# Altium PCB SmartSwitchV3.PcbDoc
Units mm, origin at the board's own origin, x right, y up, seen from the top; angles counter-clockwise.
Board outline 97.8 x 96.39 mm, 2 copper layers (Top Layer, Bottom Layer); 87 components, 65 nets, 326 pads, 45 vias.
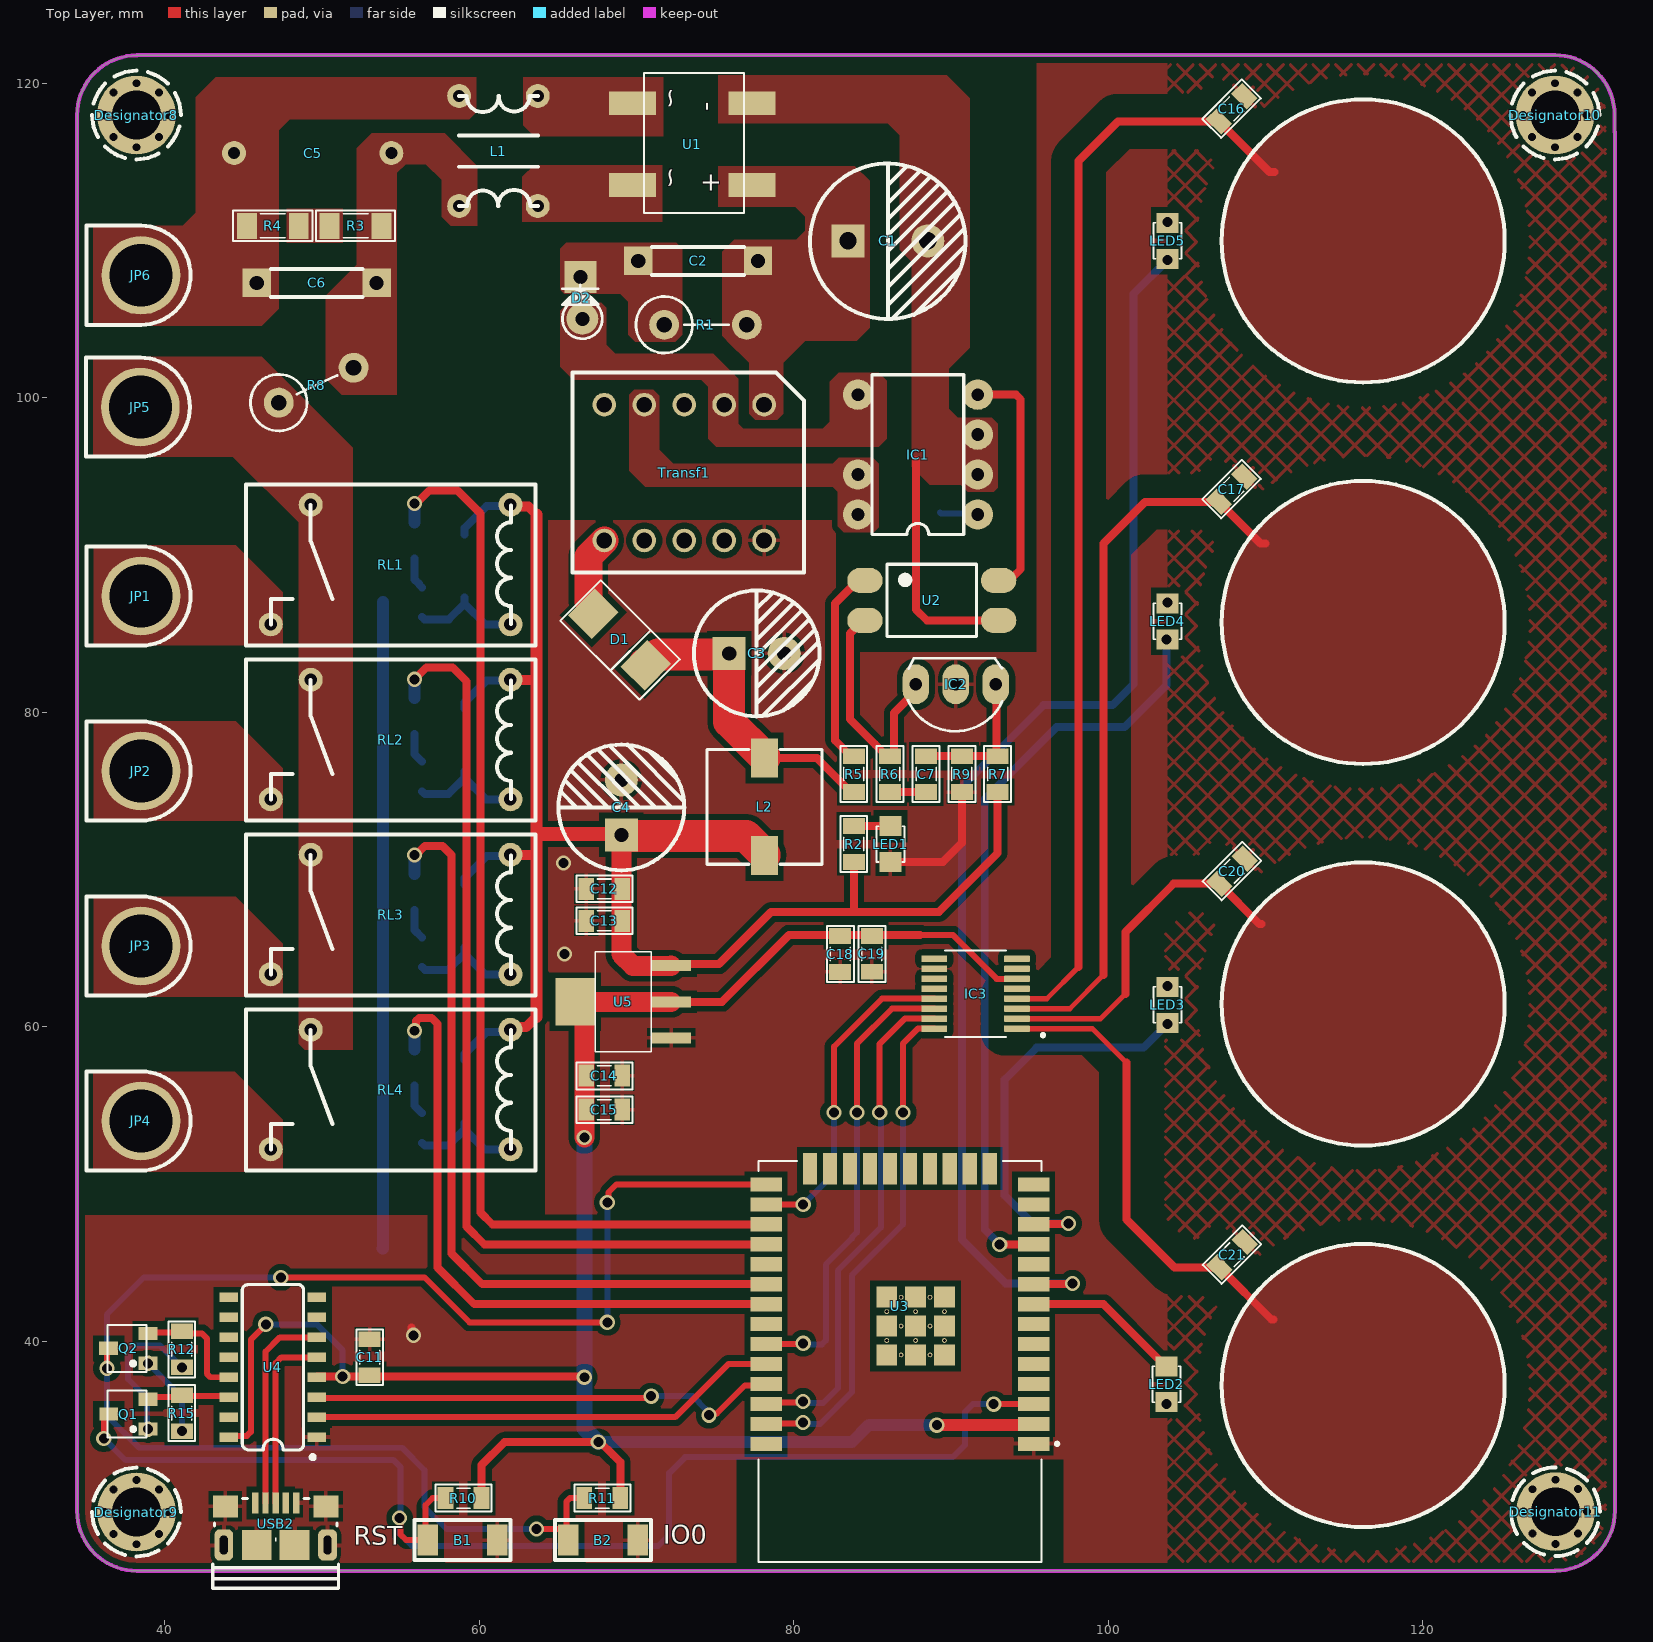
[diagram p0: Top Layer view]
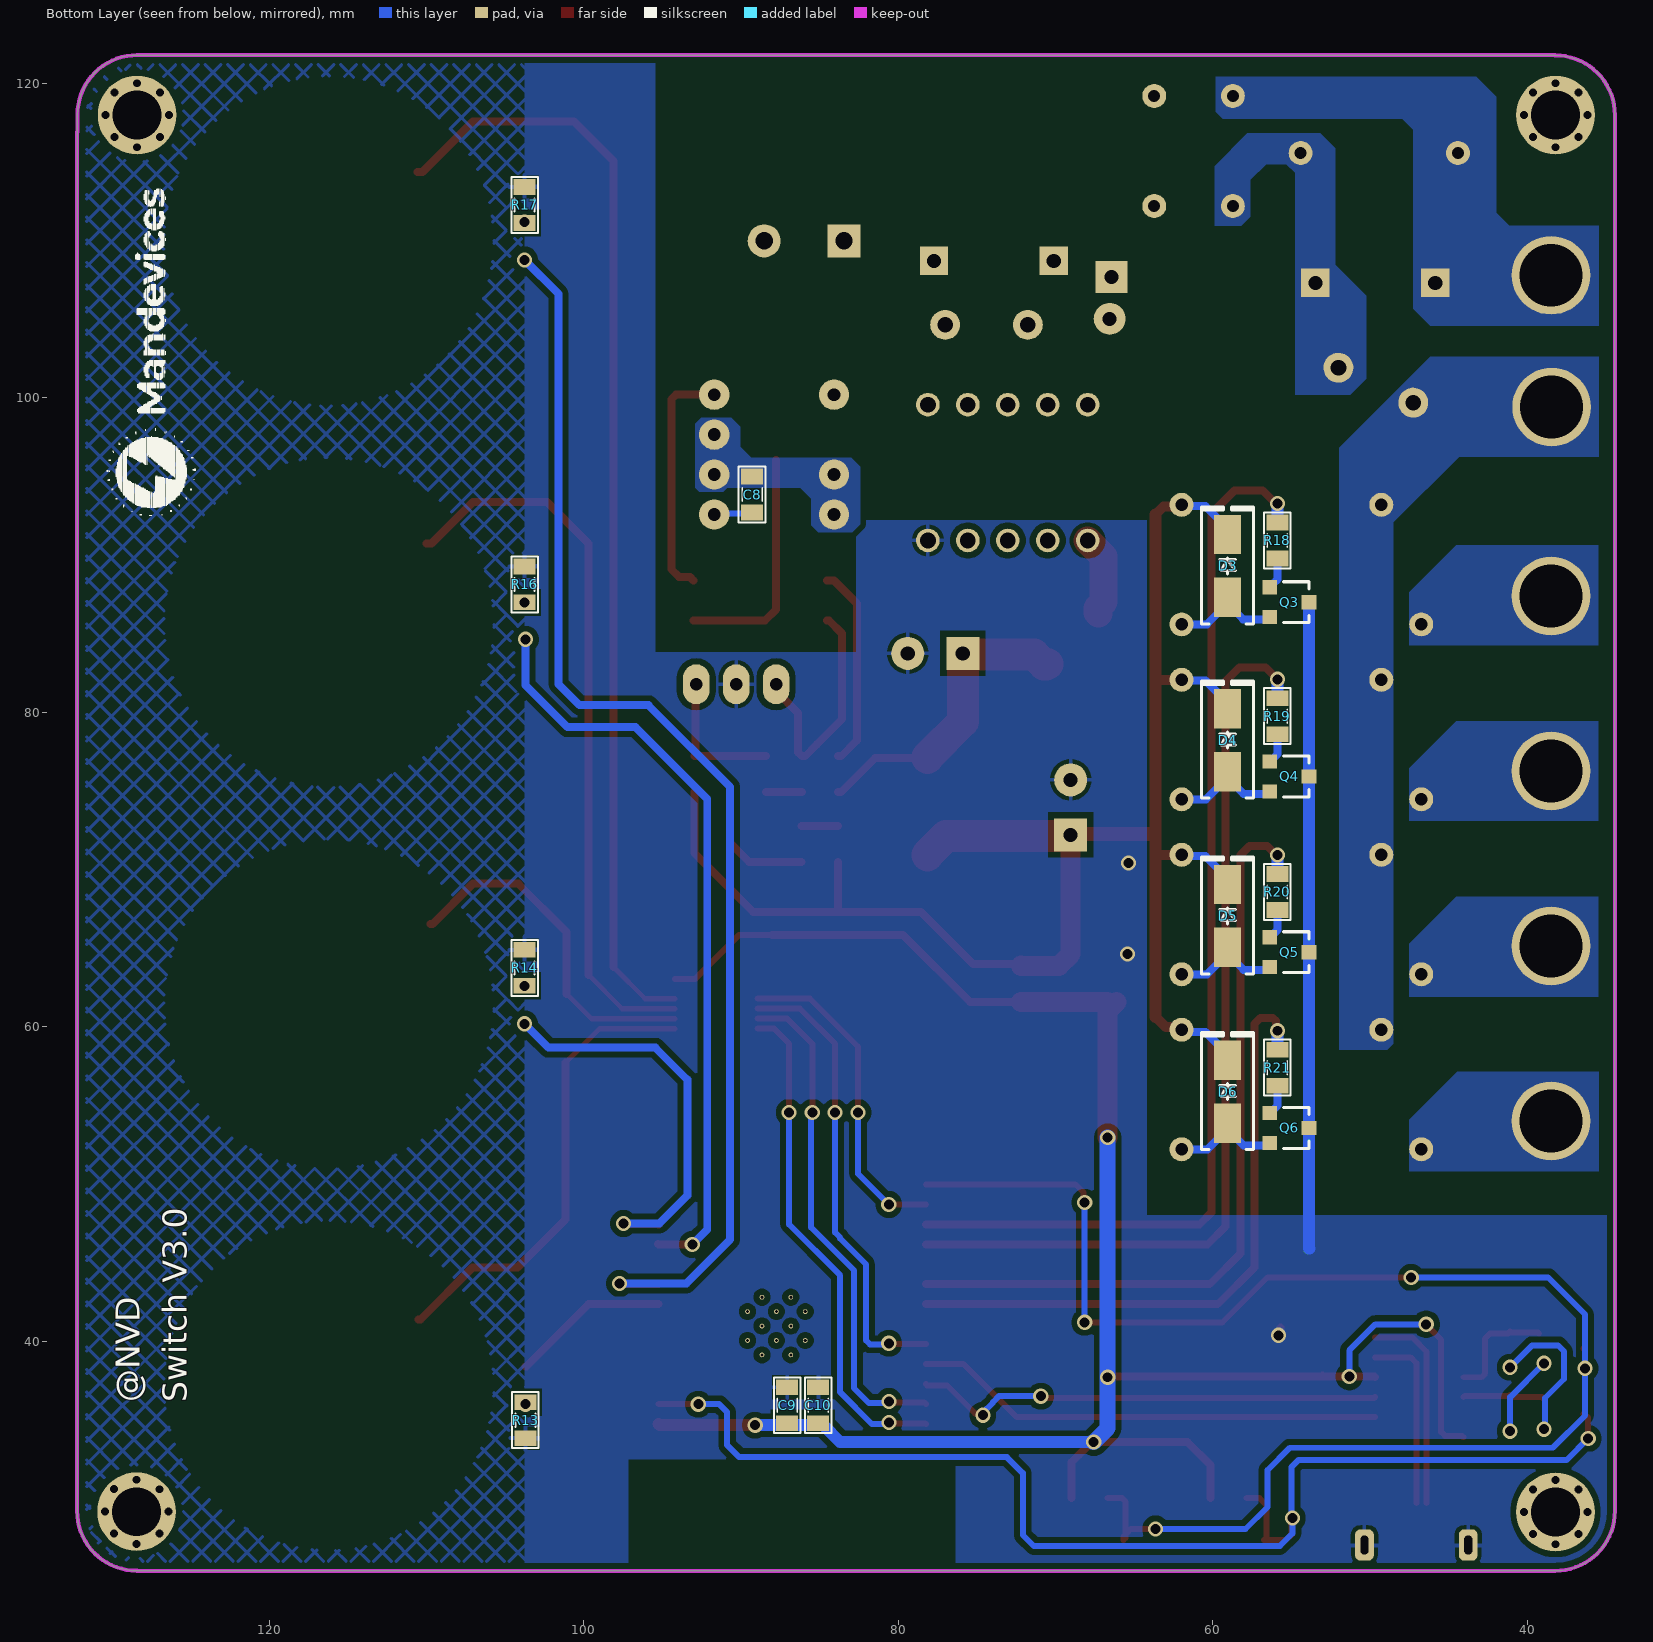
[diagram p1: Bottom Layer view, seen from below]
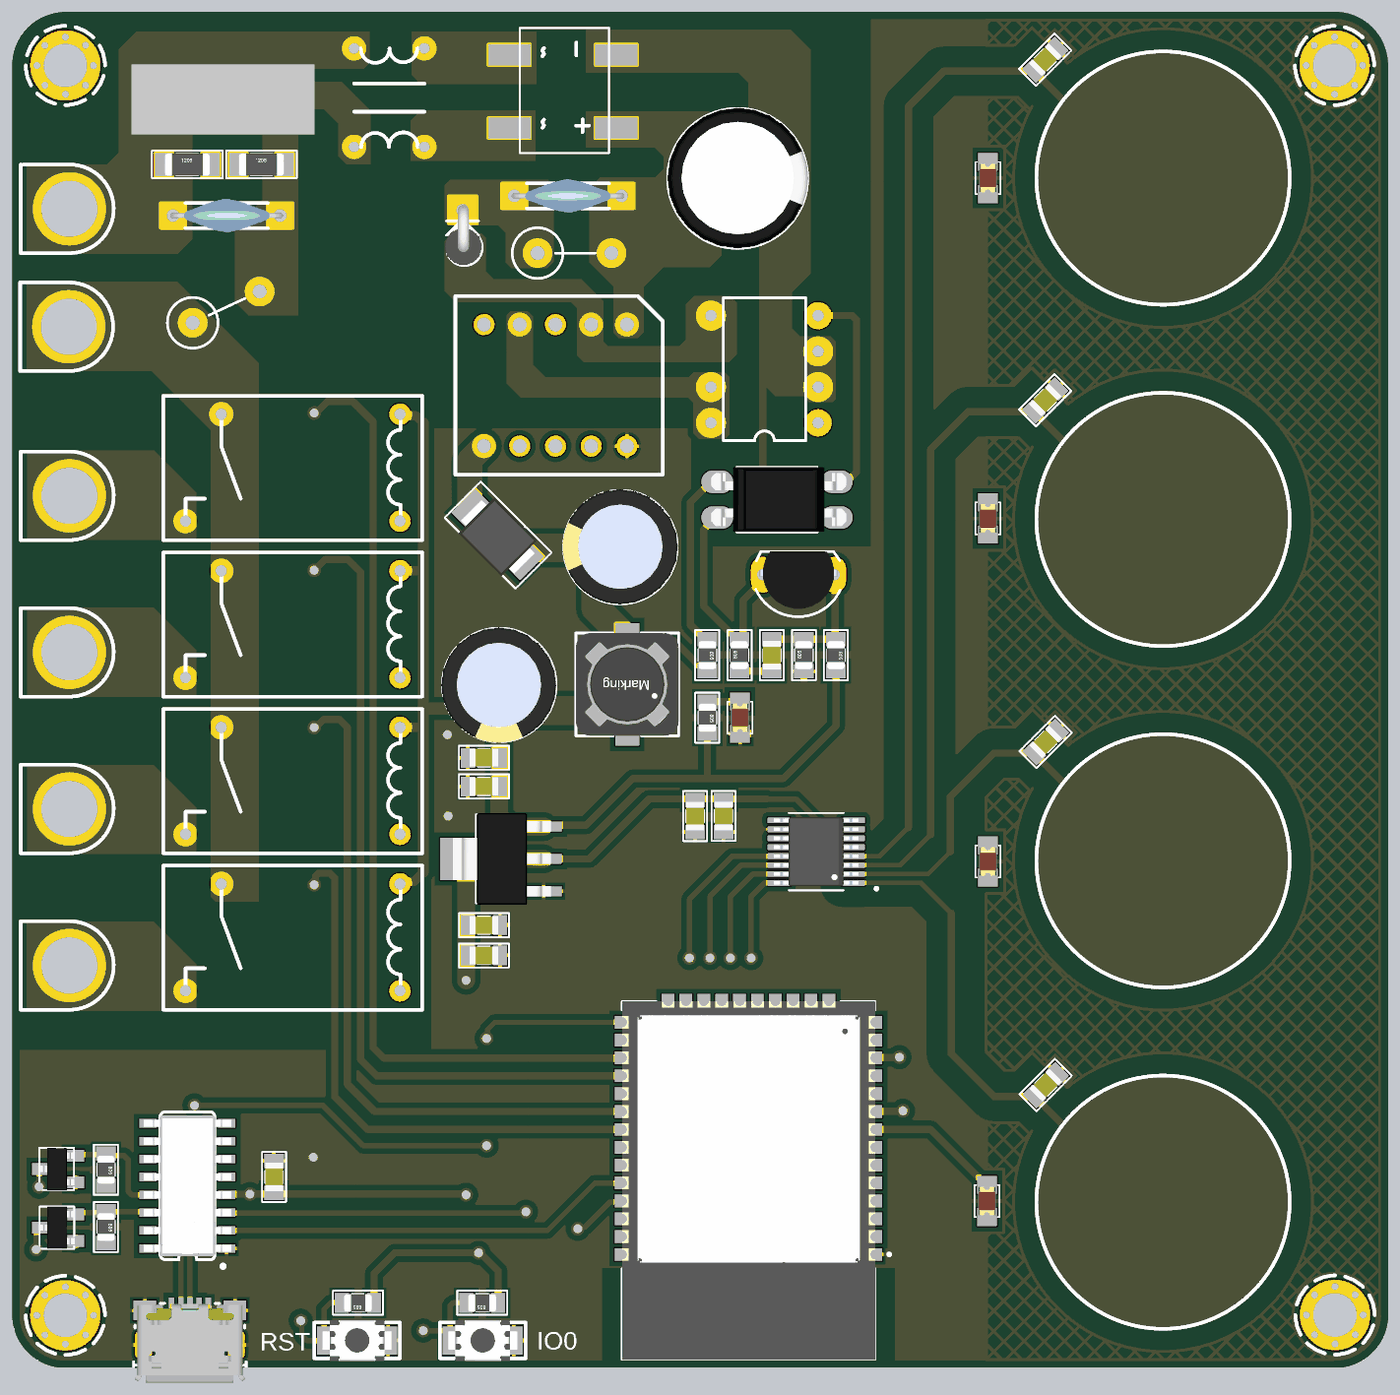
[diagram p2: 3D render of the assembled board from above, using the file's embedded part models]
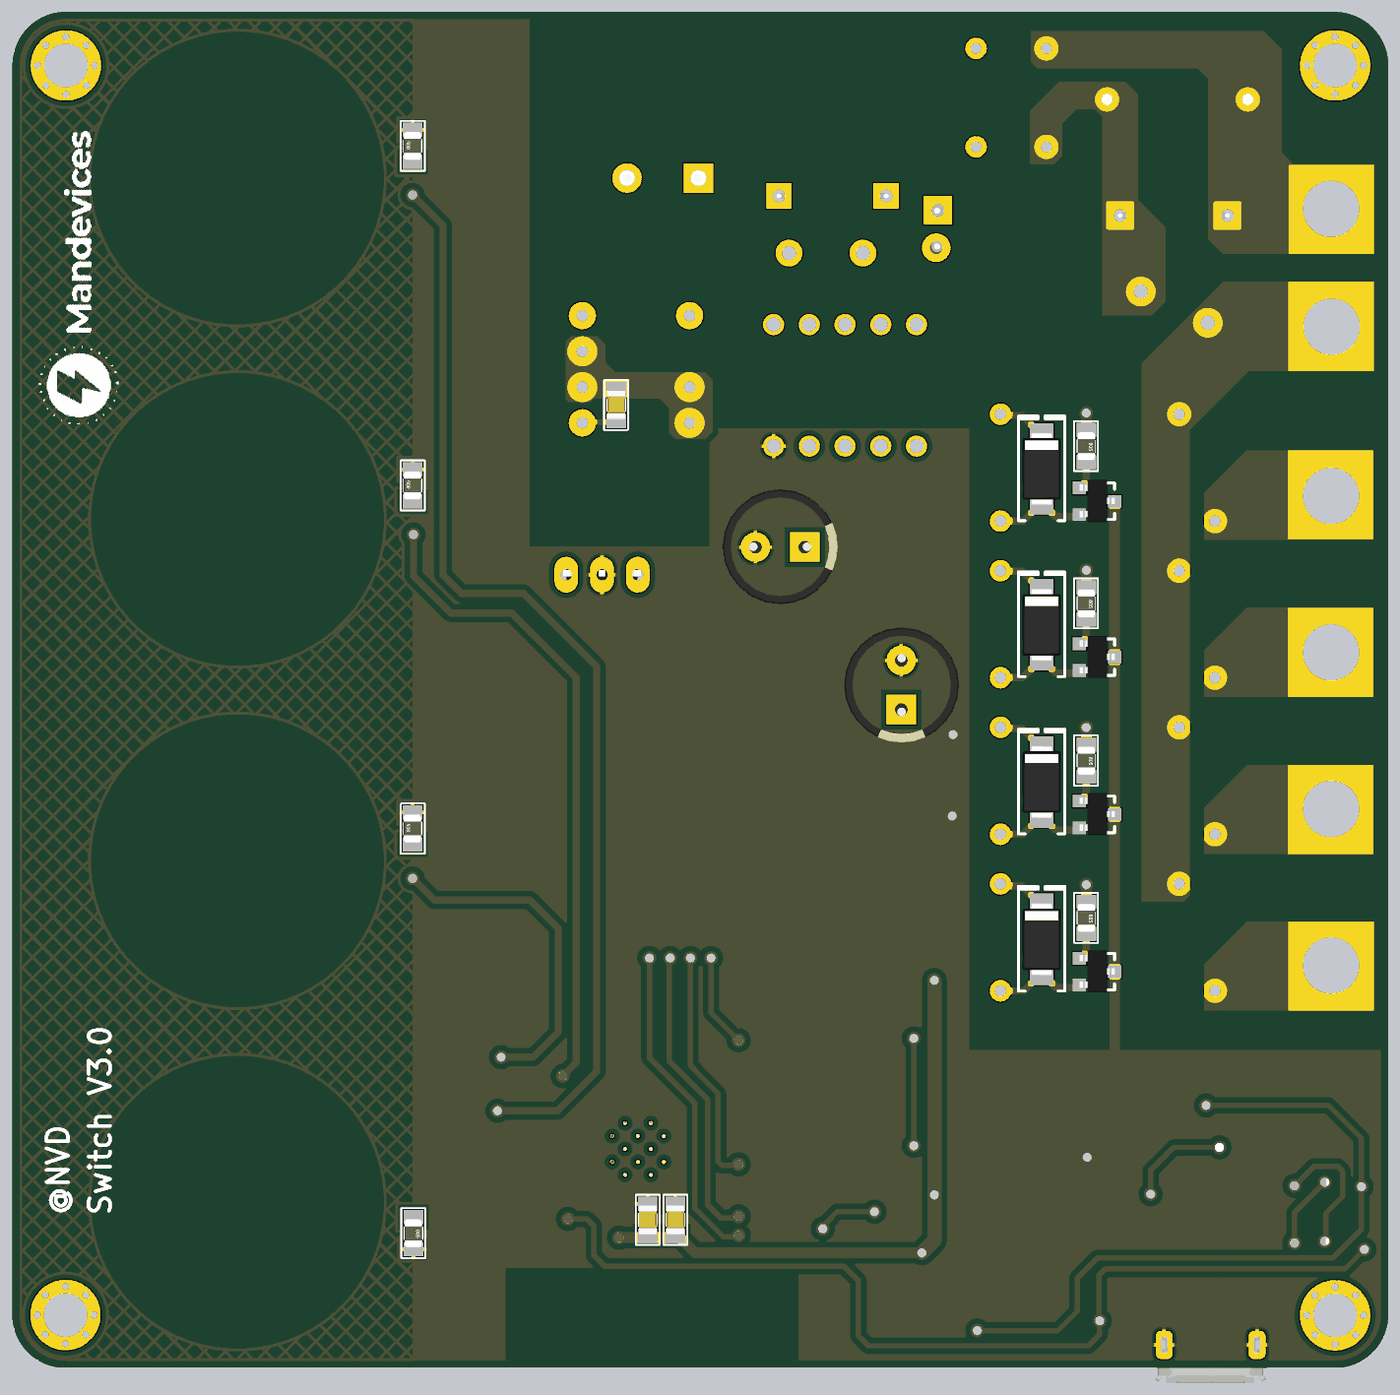
[diagram p3: 3D render of the assembled board from below, using the file's embedded part models]

## Layer stack, top to bottom
Top Solder: solder mask 0.0102, Solder Resist, Dk 3.5
Top Layer: signal copper 0.0356
Dielectric 1: dielectric 0.32, FR-4, Dk 4.8
Bottom Layer: signal copper 0.0356
Bottom Solder: solder mask 0.0102, Solder Resist, Dk 3.5

## Board outline
34.417,29.21 ccw(c38.217,29.21) 38.217,25.41 128.414,25.41 ccw(c128.411,29.213) 132.214,29.215 132.207,116.903 132.192,116.903 132.192,118 ccw(c128.392,118) 128.392,121.8 38.217,121.8 38.217,121.783 ccw(c38.217,117.983) 34.417,117.983

## Design rules (kind name [scope] priority, off if disabled: settings)
Clearance Clearance_TP [InNetClass('TP')] p1: gap=1.5 ignorepadtopadclearanceinfootprint=TRUE
Clearance Clearance_AC [InNetClass('AC')] p2: gap=0.508 ignorepadtopadclearanceinfootprint=TRUE
Clearance Clearance_UART [InNet('D_N') vs InNet('D_P')] p3: gap=0.127 ignorepadtopadclearanceinfootprint=TRUE
Clearance [All] p4: gap=0.381 ignorepadtopadclearanceinfootprint=TRUE
PolygonConnect PolygonConnect_GND [InNet('GND')] p1: thpad.connectstyle=Relief thpad.reliefconductorwidth=0.254 thpad.reliefentries=4 thpad.polygonreliefangle="90 Angle" thpad.airgapwidth=0.254 smdpad.connectstyle=Relief smdpad.reliefconductorwidth=0.254 smdpad.reliefentries=4 smdpad.polygonreliefangle="90 Angle" smdpad.airgapwidth=0.254 via.connectstyle=Direct via.reliefconductorwidth=0.254 via.reliefentries=4 via.polygonreliefangle="90 Angle" via.airgapwidth=0.254
PolygonConnect PolygonConnect_AC [InNetClass('AC')] p2: connectstyle=Direct reliefconductorwidth=0.254 reliefentries=4 polygonreliefangle="90 Angle" airgapwidth=0.254
PolygonConnect [All] p3: connectstyle=Direct reliefconductorwidth=0.254 reliefentries=4 polygonreliefangle="90 Angle" airgapwidth=0.254
RoutingVias [All] p1: holewidth=0.635 width=0.965 viastyle="Through Hole" minholewidth=0 minwidth=0.762 maxholewidth=0.762 maxwidth=1.27
SolderMaskExpansion [All] p1: expansion=0.102 istentingtop=FALSE
Width [All] p1: maxlimit=2.54 minlimit=0.254 preferedwidth=0.508
30 further rules are at their usual default settings.

## Classes and differential pairs
net class TP: TP0 TP1 TP2 TP3
net class AC: L_1 L_2 L_3 L_4 L_AC NetC5_1

## Components (designator, comment, footprint, x,y, rotation, side; value= is the part's Value field where it differs from the comment)
B1 "Button 3x4x2.5" "Button 3x4x2.5" 58.928,27.368 r180 top
B2 "Button 3x4x2.5" "Button 3x4x2.5" 67.859,27.368 r180 top
C1 "10uF/400V" C10mm 85.988,110.044 r0 top
C2 "1nF/400V" 103/2KV 77.724,108.712 r180 top
C3 "680uF/16V" C8mm 77.47,83.82 r0 top
C4 "470uF/16V" C8mm 68.961,73.787 r90 top
C5 "0.1uF/275v" "Cap AC filter" 49.403,115.57 r0 top
C6 "14D471K" 103/2KV 45.847,107.315 r0 top
C7 "100nF" CAP_0805 90.655,76.128 r270 top value=33p
C8 "100nF" CAP_0805 87.043,93.908 r270 bottom value=33p
C9 "100nF" CAP_0805 89.296,35.886 r90 bottom value=33p
C10 "10uF" CAP_0805 87.328,35.886 r90 bottom value=33p
C11 "100nF" CAP_0805 50.785,38.934 r90 top value=33p
C12 "10uF" CAP_0805 68,66.533 r180 top value=33p
C13 "100nF" CAP_0805 68,64.501 r180 top value=33p
C14 "10uF" CAP_0805 67.89,59.134 r0 top value=33p
C15 "100nF" CAP_0805 67.89,56.975 r0 top value=33p
C16 "30pF" CAP_0805 109.461,116.837 r225 top value=33p
C17 "30pF" CAP_0805 109.461,92.644 r225 top value=33p
C18 "100nF" CAP_0805 80.709,64.579 r90 top value=33p
C19 "10uF" CAP_0805 82.725,64.588 r90 top value=33p
C20 "30pF" CAP_0805 109.49,68.352 r225 top value=33p
C21 "30pF" CAP_0805 109.49,43.968 r225 top value=33p
D1 "SS14" DO-214AA(SMB) 68.77,84.709 r135 top value=1N5007
D2 "1N4937" DIO-1AN 66.421,106.426 r270 top value=1N5007
D3 "M7" "DIODE SMA" 59.055,89.313 r90 bottom
D4 "M7" "DIODE SMA" 59.055,78.232 r90 bottom
D5 "M7" "DIODE SMA" 59.055,67.056 r90 bottom
D6 "M7" "DIODE SMA" 59.055,55.88 r90 bottom
Designator8 "Comment" HOLD 38.195,117.983 r0 top
Designator9 "Comment" HOLD 38.195,29.149 r0 top
Designator10 "Comment" HOLD 128.397,117.983 r0 top
Designator11 "Comment" HOLD 128.428,29.173 r0 top
IC1 "TNY264" TNY264 92.884,90.893 r90 top
IC2 "TL431" qto-92 90.297,81.788 r180 top
IC3 "TTP224" TTP224 91.059,61.595 r180 top
JP1 "Coc_dong" Coc_dong 38.523,87.298 r270 top
JP2 "Coc_dong" Coc_dong 38.523,76.171 r270 top
JP3 "Coc_dong" Coc_dong 38.523,65.044 r270 top
JP4 "Coc_dong" Coc_dong 38.523,53.917 r270 top
JP5 "Coc_dong" Coc_dong 38.481,99.314 r270 top
JP6 "Coc_dong" Coc_dong 38.523,107.696 r270 top
L1 "Inductor EE8.3" "Inductor EE8.3" 61.214,115.697 r90 top
L2 "22uH" L_SMD 77.978,74.295 r0 top value="150 mH"
LED1 "LED" LED-0805-Red 86.144,72.771 r270 top value="LED 3 ly Single Colour"
LED2 "LED" LED-0805-Red 103.695,38.417 r270 top value="LED 3 ly Single Colour"
LED3 "LED" LED-0805-Red 103.759,60.261 r90 top value="LED 3 ly Single Colour"
LED4 "LED" LED-0805-Red 103.759,84.645 r90 top value="LED 3 ly Single Colour"
LED5 "LED" LED-0805-Red 103.759,108.839 r90 top value="LED 3 ly Single Colour"
Q1 "C1815" SOT23D 37.681,35.382 r90 top
Q2 "C1815" SOT23D 37.675,39.558 r90 top
Q3 "2N2222" SOT23 55.118,87.006 r270 bottom value=C9014
Q4 "2N2222" SOT23 55.118,75.925 r270 bottom value=C9014
Q5 "2N2222" SOT23 55.118,64.749 r270 bottom value=C9014
Q6 "2N2222" SOT23 55.118,53.573 r270 bottom value=C9014
R1 "200k/2W" RES-1WW 73.406,104.648 r0 top
R2 "1k" RES-SMD-0805 83.82,71.628 r270 top
R3 "1M" RES-SMD-1206 52.133,110.934 r0 top
R4 "1M" RES-SMD-1206 46.863,110.934 r0 top
R5 "200R" RES-SMD-0805 83.82,76.073 r270 top
R6 "3.3k" RES-SMD-0805 86.106,76.073 r90 top
R7 "11k" RES-SMD-0805 92.964,76.073 r270 top
R8 "2R/2W" RES-1WW 48.74,100.393 r25 top
R9 "10k" RES-SMD-0805 90.678,76.073 r90 top
R10 "10k" RES-SMD-0805 58.991,30.035 r180 top
R11 "10k" RES-SMD-0805 67.818,30.035 r180 top
R12 "10k" RES-SMD-0805 41.084,39.497 r270 top
R13 "1k" RES-SMD-0805 103.695,34.989 r270 bottom
R14 "1k" RES-SMD-0805 103.759,63.754 r90 bottom
R15 "10k" RES-SMD-0805 41.084,35.433 r270 top
R16 "1k" RES-SMD-0805 103.759,88.138 r90 bottom
R17 "1k" RES-SMD-0805 103.759,112.268 r90 bottom
R18 "1k" RES-SMD-0805 55.88,90.932 r270 bottom
R19 "1k" RES-SMD-0805 55.88,79.756 r270 bottom
R20 "1k" RES-SMD-0805 55.88,68.58 r270 bottom
R21 "1k" RES-SMD-0805 55.88,57.404 r270 bottom
RL1 "Relay_HF32" HF32F 63.606,89.498 r180 top
RL2 "Relay_HF32" HF32F 63.606,78.371 r180 top
RL3 "Relay_HF32" HF32F 63.606,67.244 r180 top
RL4 "Relay_HF32" HF32F 63.606,56.117 r180 top
Transf1 "Transformer EE12.7" "Transformer EE12.7" 73.025,95.25 r180 top
U1 "Diode Bridge Flate" DB207S 73.533,116.078 r270 top
U2 "OPTO PC817 SMD" SOP4 88.773,87.122 r0 top value=PC817
U3 "ESP32-WROOM-32" MODULE_ESP32-WROOM-32 86.741,38.735 r180 top
U4 "CH340C" SO016 46.863,38.354 r90 top
U5 "LM1117-ADJ" LM1117-SOP 70.929,61.595 r90 top
USB2 "USB Micro 5p DIP" "USB Micro 5p DIP" 47.047,27.051 r0 top
